# Altium PCB PCB1.PcbDoc
Units mil, origin at the board's own origin, x right, y up, seen from the top; angles counter-clockwise.
Board outline 2376 x 1575 mil, 2 copper layers (Top Layer, Bottom Layer); 51 components, 67 nets, 233 pads, 75 vias.
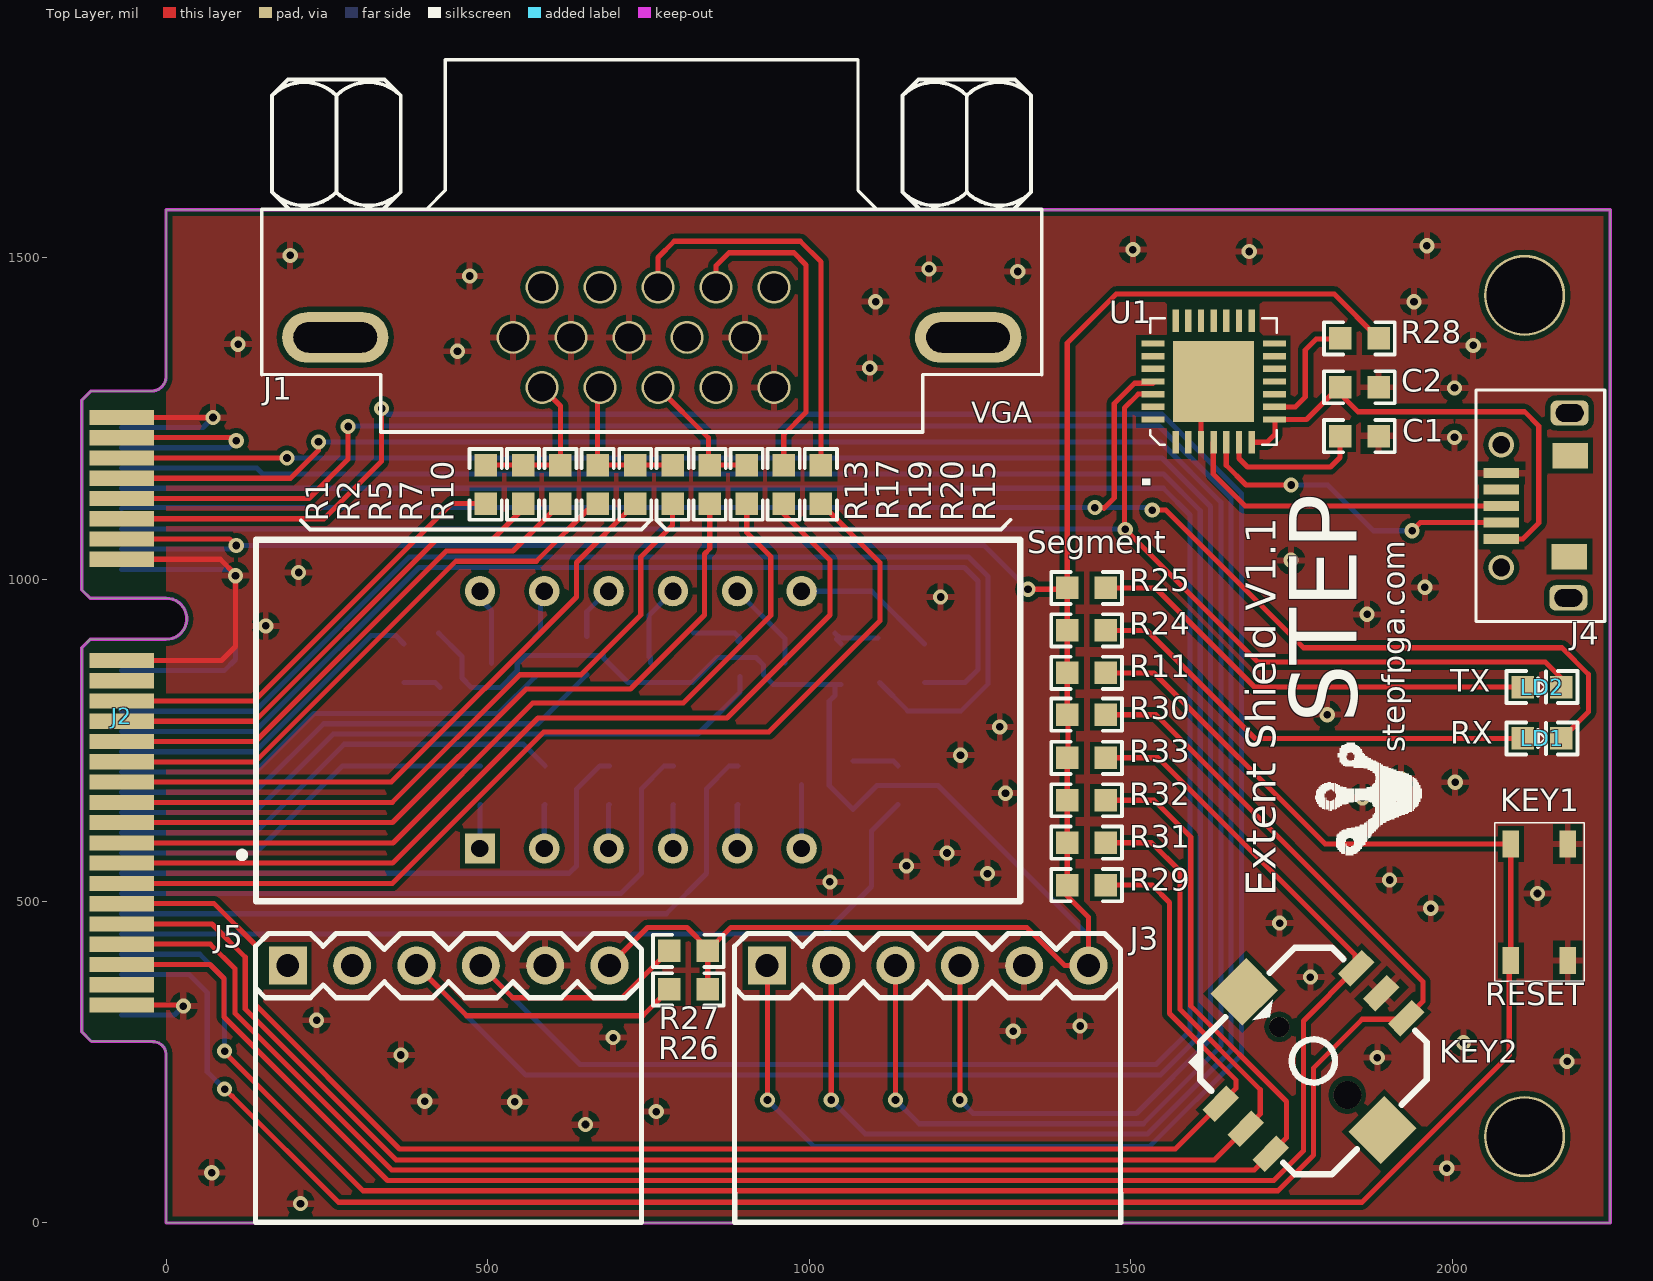
[diagram p0: Top Layer view]
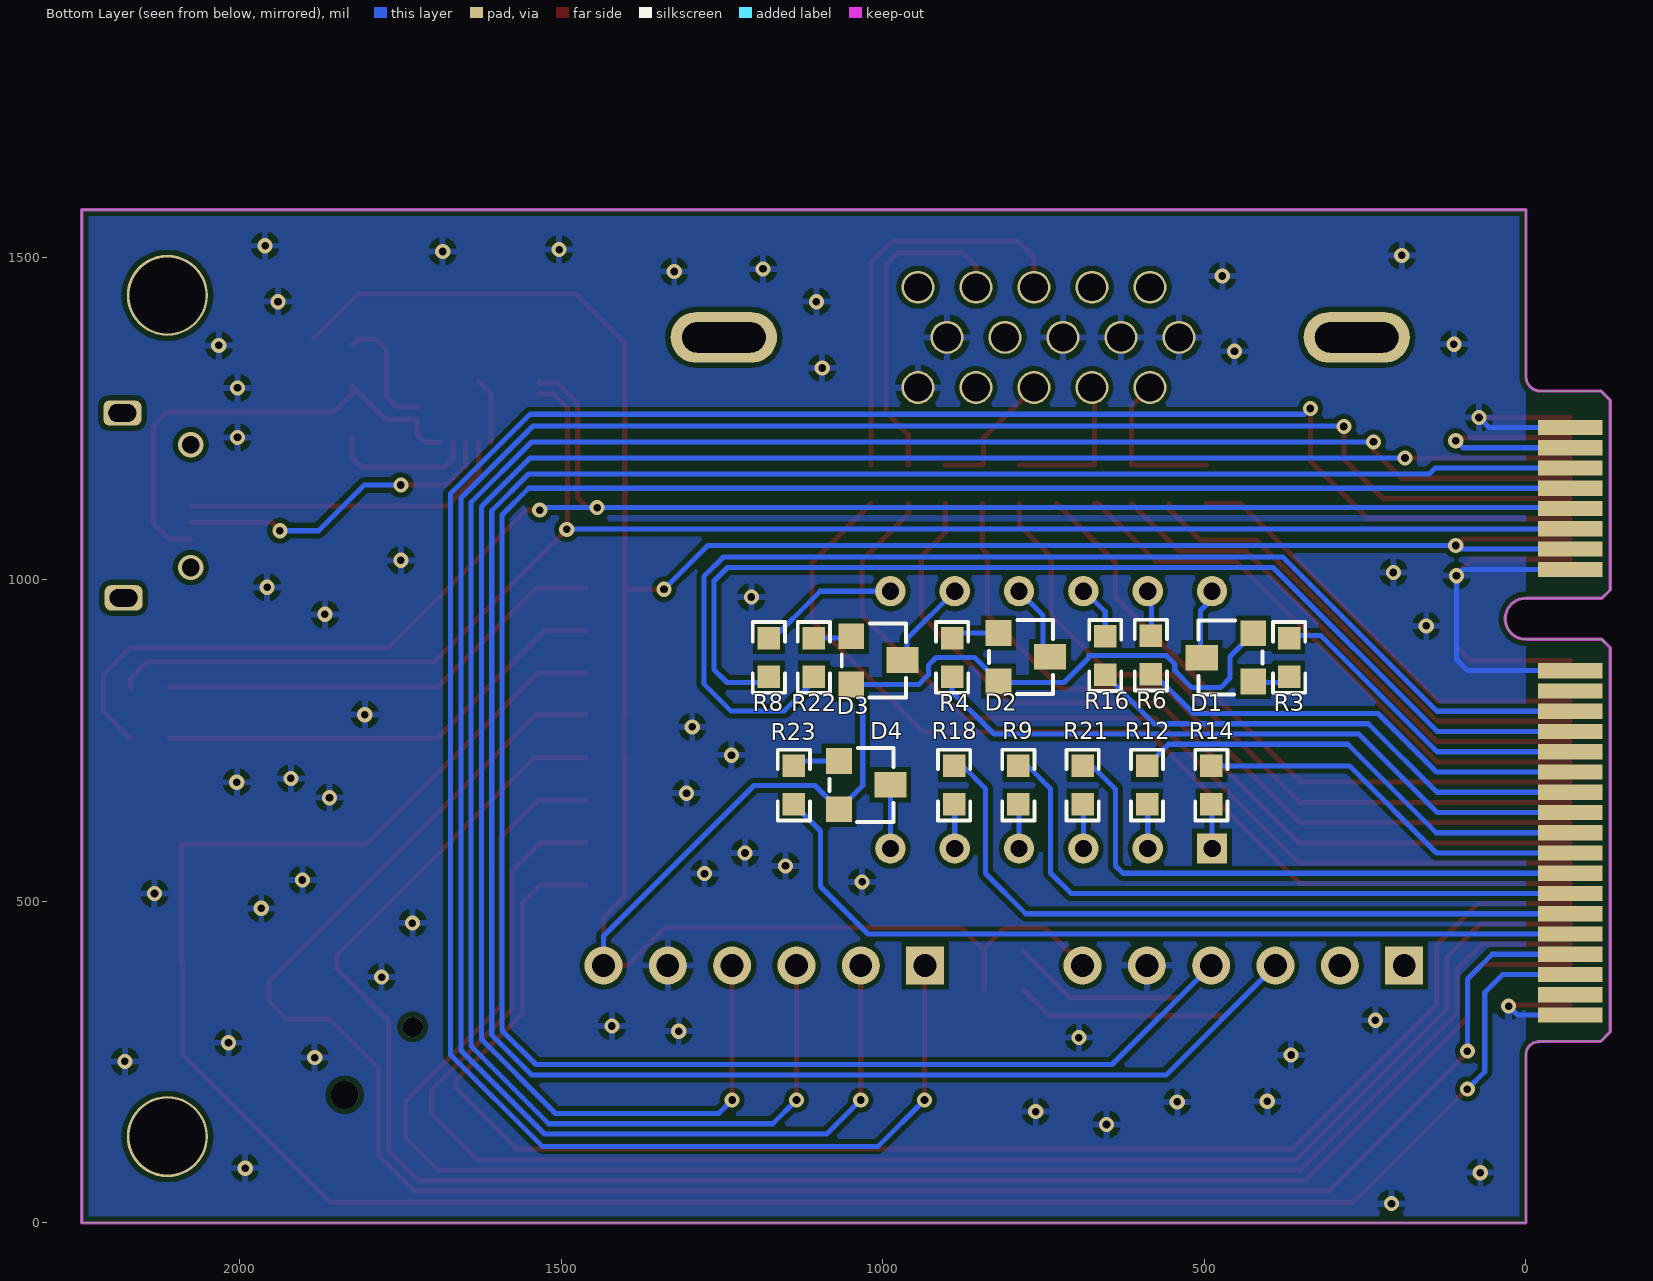
[diagram p1: Bottom Layer view, seen from below]
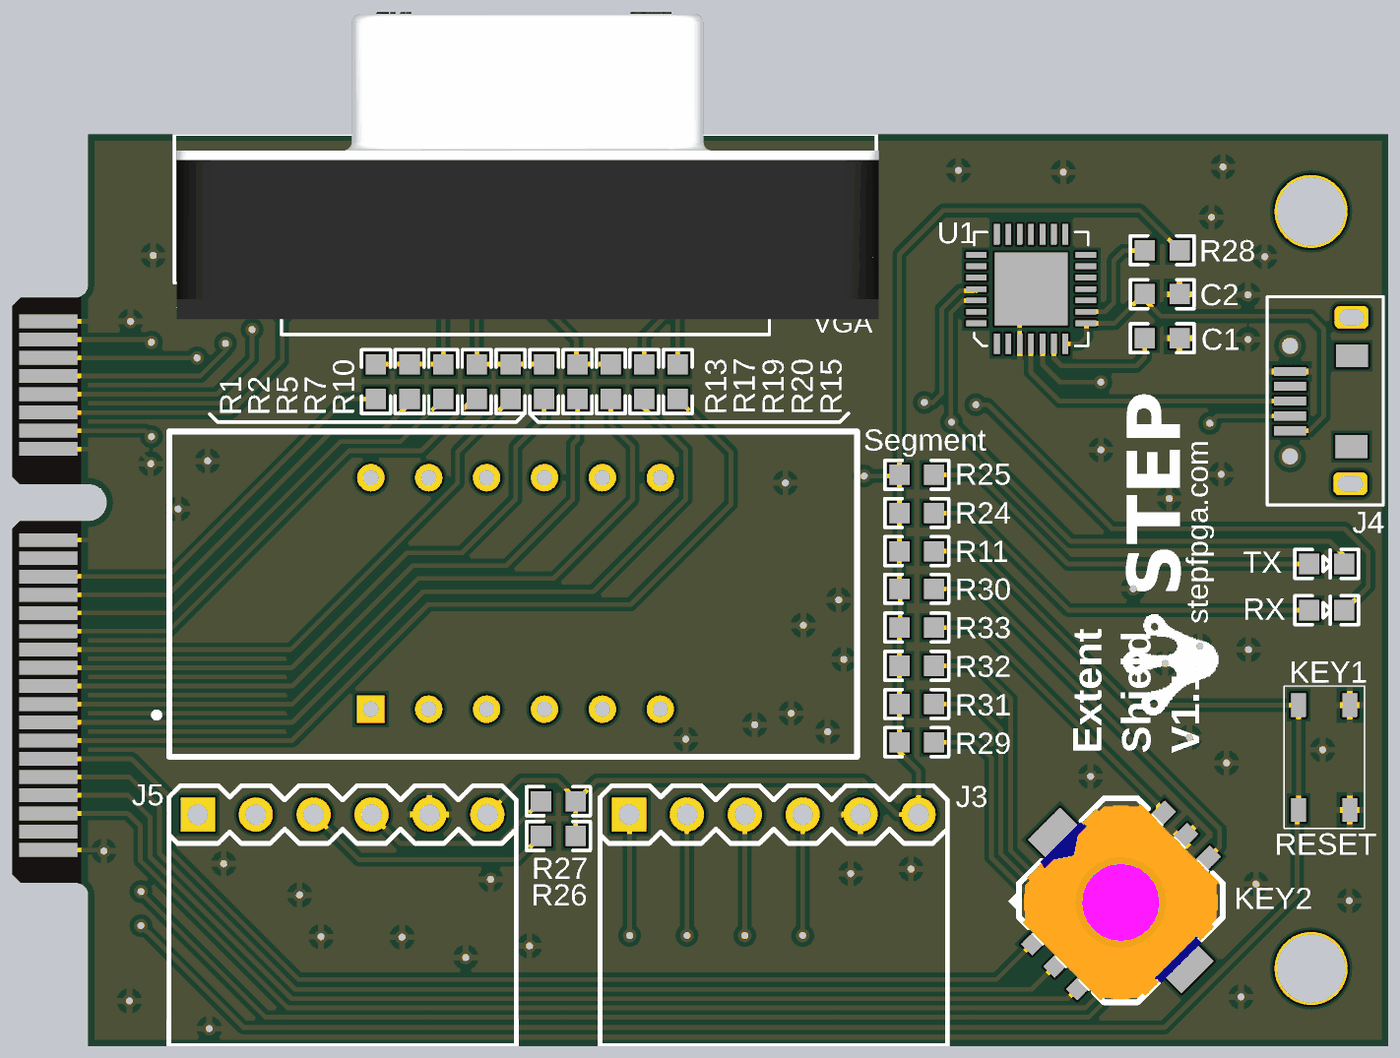
[diagram p2: 3D render of the assembled board from above, using the file's embedded part models]
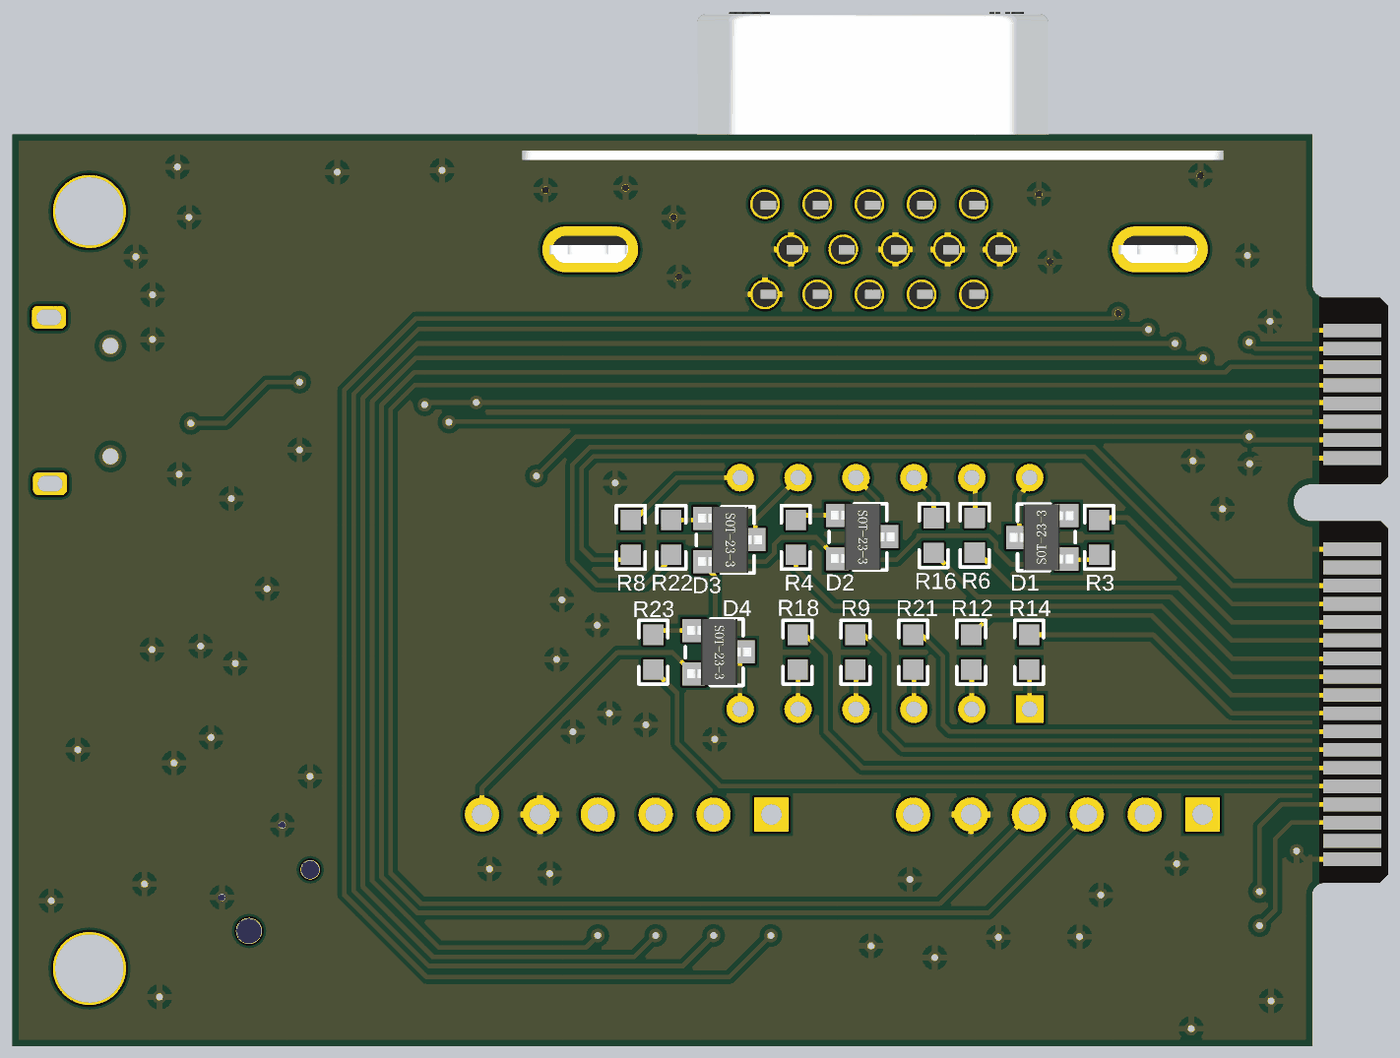
[diagram p3: 3D render of the assembled board from below, using the file's embedded part models]

## Layer stack, top to bottom
Top Solder: solder mask 0.4, Solder Resist, Dk 3.5
Top Layer: signal copper 1.4
Dielectric 1: dielectric 12.6, FR-4, Dk 4.8
Bottom Layer: signal copper 1.4
Bottom Solder: solder mask 0.4, Solder Resist, Dk 3.5

## Board outline
0,0 0,259.94 ccw(c-20.46,261.2) -20.4,281.7 -20.7,282 -116,282 -131,297 -131,894 -130,895 -117.87,907.13 0,907.13 ccw(c0.27,939.07) -0.13,971 -118,971 -130.66,983.66 -131,983.66 -131,1279 -117,1293 -22,1293 ccw(c-23.04,1316.11) 0,1314 0,1575 2245,1575 2245,0

## Design rules (kind name [scope] priority, off if disabled: settings)
Clearance [All] p1: gap=7.8
HoleSize [All] p1: absolutevalues=TRUE maxlimit=3937.01 minlimit=1 maxpercent=80.000 minpercent=20.000
MinimumSolderMaskSliver [All] p1: minsoldermaskwidth=0.04
PolygonConnect [All] p1: connectstyle=Relief reliefconductorwidth=10 reliefentries=4 polygonreliefangle="90 Angle" airgapwidth=10
RoutingVias [All] p1: holewidth=11.81 width=23.62 viastyle="Through Hole" minholewidth=11.81 minwidth=23.62 maxholewidth=11.81 maxwidth=23.62
SilkToSilkClearance [All] p1: silktosilkclearance=1
SilkToSolderMaskClearance [IsPad] p1: minsilkscreentomaskgap=0.01 clearancetoexposedcopper=TRUE
SolderMaskExpansion [All] p1: expansion=4
Width [All] p1: maxlimit=8 minlimit=8 preferedwidth=8
26 further rules are at their usual default settings.

## Components (designator, comment, footprint, x,y, rotation, side; value= is the part's Value field where it differs from the comment)
C1 "100nF" C0603 1885,1223 r180 top
C2 "100nF" C0603 1885,1299 r180 top
D1 "s9012" "SOT-23 s9013" 423.37,836.62 r90 bottom
D2 "s9012" "SOT-23 s9013" 820.63,921.88 r270 bottom
D3 "s9012" "SOT-23 s9013" 1049.63,916.88 r270 bottom
D4 "s9012" "SOT-23 s9013" 1068.63,722.88 r270 bottom
J1 "VGA接口" VGA_15pins 764.81,1298.62 r0 top
J2 "PCIE" STEP_miniPCI-E 26,937.13 r0 top
J3 "PMOD" PMOD_6_WS 934,400 r0 top
J4 "MicroUSB" MICRO_USB_4 2075.67,1209.76 r270 top
J5 "PMOD" PMOD_6_WS 189.29,400 r0 top
KEY1 "CPU_RST" Button,4pins,white,smt 2205,618.9 r180 top
KEY2 "KEY_5ch" button,five 1783,250 r0 top
LD1 "LED" LED0603 2109,753 r0 top
LD2 "LED" LED0603 2109,833 r0 top
R1 "2K" R0603 496.9,1118.1 r90 top
R2 "1K" R0603 554.9,1118.1 r90 top
R3 "4.7K" R0603 368,909 r270 bottom
R4 "4.7K" R0603 892,849 r90 bottom
R5 "510R" R0603 613.1,1118.1 r90 top
R6 "100R" R0603 583,852.55 r90 bottom
R7 "2K" R0603 670.9,1118.1 r90 top
R8 "100R" R0603 1177,849 r90 bottom
R9 "100R" R0603 789,710.5 r270 bottom
R10 "1K" R0603 729.4,1118.1 r90 top
R11 "4.7K" R0603 1401,855 r0 top
R12 "100R" R0603 589,710.5 r270 bottom
R13 "510R" R0603 787.5,1118.1 r90 top
R14 "100R" R0603 489,710.5 r270 bottom
R15 "200" R0603 1018,1178.1 r270 top
R16 "100R" R0603 654,852 r90 bottom
R17 "1K" R0603 845.1,1118.1 r90 top
R18 "100R" R0603 889,710.5 r270 bottom
R19 "510R" R0603 902.6,1118.1 r90 top
R20 "200" R0603 960.2,1178.1 r270 top
R21 "100R" R0603 689,710.5 r270 bottom
R22 "4.7K" R0603 1107,849 r90 bottom
R23 "4.7K" R0603 1138,710.5 r270 bottom
R24 "1K" R0603 1461,921 r180 top
R25 "1K" R0603 1461,987 r180 top
R26 "4.7K" R0603 842,363 r180 top
R27 "4.7K" R0603 842,423 r180 top
R28 "1K" R0603 1885,1375 r180 top
R29 "4.7K" R0603 1461,525 r180 top
R30 "4.7K" R0603 1401,790 r0 top
R31 "4.7K" R0603 1461,591 r180 top
R32 "4.7K" R0603 1461,657 r180 top
R33 "4.7K" R0603 1401,723 r0 top
Segment "SEGMENT" 063Segment -192,692 r0 top (schematic designator Segment1)
STEP "Comment" ECBC-STEP-M 1904.51,665.45 r90 top
U1 "CP2102" QFN5*5_28 1628.51,1307.94 r90 top

## Footprints (in the part's own frame and the unit in brackets; to place one, negate y for a bottom-side part, rotate by r counter-clockwise, add the part's x,y. Pads: shape width x height; smd on the part's side, far side on the other; paste and mask are expansions set on the pad)
063Segment [mm]
  rect 1.2x1.2 hole 0.69: 1(17.272,-2.794)
  round 1.2 hole 0.68: 2(19.812,-2.794) 3(22.352,-2.794) 4(24.892,-2.794) 5(27.432,-2.794) 6(29.972,-2.794) 7(29.972,7.366) 8(27.432,7.366) 9(24.892,7.366) 10(22.352,7.366) 11(19.812,7.366) 12(17.272,7.366)
  silkscreen extent 7.75,-4.88 38.61,9.4
Button,4pins,white,smt [mm]
  rect 0.65x1.05 smd: 1(2.91,5.359) 2(0.66,5.359) 3(0.66,0.759) 4(2.91,0.759)
  silkscreen extent 0.01,-0.08 3.55,6.17
button,five [mm]
  rect 0.7x1.35 smd rot 135: 1(-3.65,-1.644) 2(-2.663,-2.632) 3(-1.675,-3.619) 4(1.702,3.708) 5(2.69,2.721) 6(3.677,1.733)
  rect 1.8x2 smd rot 135: ""(-2.716,2.774) ""(2.744,-2.686)
  round 0.8 hole 0.8: ""(-1.33,1.388)
  round 1.1 hole 1.1: ""(1.357,-1.299)
  silkscreen extent -4.93,-4.43 4.49,4.52, body extent -5.29,-5.34 5.3,5.25, height 5
C0603 [mil]
  rect 35x35 smd: 1(0,0) 2(60,0)
  silkscreen extent -25,-25 85,25, body extent -1,-16 62,16, height 24
ECBC-STEP-M [mil] "height=165mil"
  silkscreen extent -94,-47 81,117
LED0603 [mil]
  rect 35x35 smd: 1(0,0) 2(60,0)
  silkscreen extent -25,-25 85,25, body extent -3,-18 64,18, height 35
MICRO_USB_4 [mm]
  rect 0.4x1.4 smd: 1(3.725,0) 2(3.075,0) 3(2.425,0) 4(1.775,0) 5(1.125,0)
  rrect50% 1x1.5 hole 0.7 slot 1.1 at 90 deg: ""(-1.251,2.701) ""(6.05,2.65)
  rect 1x1.4 smd: ""(0.432,2.718) ""(4.42,2.692)
  silkscreen extent -2.16,-1 6.98,4.09, body extent -1.69,-0.15 6.51,5.28, height 2.73
PMOD_6_WS [mm] "6脚PMOD接口，弯角母座"
  rect 1.5x1.5 hole 0.9: 1(0,0)
  round 1.5 hole 0.9: 2(2.54,0) 3(5.08,0) 4(7.62,0) 5(10.16,0) 6(12.7,0)
  silkscreen extent -1.27,-10.13 13.97,1.27
QFN5*5_28 [mm] "类型QFN，尺寸5*5mm，引脚28pin"
  rect 0.9x0.25 smd: 1(-2.4,1.5) 2(-2.4,1) 3(-2.4,0.5) 4(-2.4,0) 5(-2.4,-0.5) 6(-2.4,-1) 7(-2.4,-1.5) 15(2.4,-1.5) 16(2.4,-1) 17(2.4,-0.5) 18(2.4,0) 19(2.4,0.5) 20(2.4,1) 21(2.4,1.5)
  rect 0.25x0.9 smd: 8(-1.5,-2.4) 9(-1,-2.4) 10(-0.5,-2.4) 11(0,-2.4) 12(0.5,-2.4) 13(1,-2.4) 14(1.5,-2.4) 22(1.5,2.4) 23(1,2.4) 24(0.5,2.4) 25(0,2.4) 26(-0.5,2.4) 27(-1,2.4) 28(-1.5,2.4)
  rect 3.2x3.2 smd: 29(0,0)
  silkscreen extent -2.5,-2.5 2.5,2.5, body extent -2.49,-2.5 2.51,2.5, height 1.07
R0603 [mil]
  rect 35x35 smd: 1(0,0) 2(60,0)
  silkscreen extent -25,-25 85,25, body extent -1,-16 61,16, height 18
"SOT-23 s9013" [mil]
  rect 40x40 smd: 1B(4.88,0.63) 2E(79.88,0.63)
  rect 40x50 smd: 3C(41.88,80.63)
  silkscreen extent -15,-14 100,86, body extent -15,-11 99,99, height 47
STEP_miniPCI-E [mm]
  rect 2.55x0.6 smd: A0(-2.413,8.001) A1(-2.413,7.201) A2(-2.413,6.401) A3(-2.413,5.601) A4(-2.413,4.801) A5(-2.413,4.001) A6(-2.413,3.201) A7(-2.413,2.401) A8(-2.413,-1.599) A9(-2.413,-2.399) A10(-2.413,-3.199) A11(-2.413,-3.999) A12(-2.413,-4.799) A13(-2.413,-5.599) A14(-2.413,-6.399) A15(-2.413,-7.199) A16(-2.413,-7.999) A17(-2.413,-8.799) A18(-2.413,-9.599) A19(-2.413,-10.399) A20(-2.413,-11.199) A21(-2.413,-11.999) A22(-2.413,-12.799) A23(-2.413,-13.599) A24(-2.413,-14.399) A25(-2.413,-15.199)
  rect 2.55x0.6 smd far side: B0(-2.413,7.601) B1(-2.413,6.801) B2(-2.413,6.001) B3(-2.413,5.201) B4(-2.413,4.401) B5(-2.413,3.601) B6(-2.413,2.801) B7(-2.413,2.001) B8(-2.413,-1.999) B9(-2.413,-2.799) B10(-2.413,-3.599) B11(-2.413,-4.399) B12(-2.413,-5.199) B13(-2.413,-5.999) B14(-2.413,-6.799) B15(-2.413,-7.599) B16(-2.413,-8.399) B17(-2.413,-9.199) B18(-2.413,-9.999) B19(-2.413,-10.799) B20(-2.413,-11.599) B21(-2.413,-12.399) B22(-2.413,-13.199) B23(-2.413,-13.999) B24(-2.413,-14.799) B25(-2.413,-15.599)
  Keep-Out Layer lines w0.127: -0.66,-0.762 ccw(c-0.659,0.051) -0.66,0.864
VGA_15pins [mm] "VGA接口，母口底座"
  oval 4.2x2 hole 1.2 slot 3.3 at 0 deg: 0(-12.745,1.98) 0(12.245,1.98)
  round 1.3 hole 1.1: 1(-4.58,0) 2(-2.29,0) 3(0,0) 4(2.29,0) 5(4.58,0) 6(-5.725,1.98) 7(-3.435,1.98) 8(-1.145,1.98) 9(1.145,1.98) 10(3.435,1.98) 11(-4.58,3.96) 12(-2.29,3.96) 13(0,3.96) 14(2.29,3.96) 15(4.58,3.96)
  silkscreen extent -15.65,-1.76 15.15,12.94, body extent -15.55,-1.09 15.25,12.38, height 10.72

## Part data
C1 C2: library part "Cap Semi", "Capacitor (Semiconductor SIM Model)"
D1 D2 D3 D4: "PNP三极管"
J1: library part VGA, "VGA Interface"
J3 J5: library part "Header 6", "Header, 6-Pin"
J4: library part "Micro USB Header", "Micro USB Header"
KEY1: library part KEY
LD1 LD2: "Typical INFRARED GaAs LED,1.8V,10mA,Red"
R1 R2 R3 R4 R5 R6 R7 R8 R9 R10 R11 R12 R13 R14 R15 R16 R17 R18 R19 R20 R21 R22 R23 R24 R25 R26 R27 R28 R29 R30 R31 R32 R33: library part Res1, "Resistor"
U1: "CP2102，USB转串口UART驱动芯片"

## Free pads (board coordinates)
  round 125.98 hole 118.11: 0(2112,134) 0(2112,1442)

## Via types
v1: diameter 23.62, hole 11.81, Top Layer to Bottom Layer, tented both sides, 73 vias
v2: diameter 39.37, hole 27.56, Top Layer to Bottom Layer, tented both sides, 2 vias

## Nets (pads, with @x,y where several pads share a name; then routed paths per layer and width w, separated by ;. In a path a pad name is that pad's centre, name@x,y a point inside that pad or via, vN(x,y) a via of type N, cw(c..) or ccw(c..) an arc to the next point about the centre after c; other vN are vias at no path point)
3.3V: D1.2E D2.2E D3.2E D4.2E J2.A6 J2.B6 J3.6 J5.6 R11.1 R24.2 R25.2 R26.1 R27.1 R28.1 R29.2 R30.1 R31.2 R32.2 R33.1 | length 5605.7
  Top Layer w8: J2.A6 98.84,1063.16 v1(109,1053) ; J5.6 748.29,459 810,459 842,427 R27.1 ; R26.1 R27.1 ; v1(1340,985) 1399,985 R25.2 ; R33.1 R32.2 R31.2 R29.2 1401,508 1434,475 J3.6 1397,400 1338,459 878,459 R27.1 ; R33.1@1402,723 1402,789 R30.1 R11.1 R24.2 R25.2 ; R28.1 1816,1444 1477,1444 1401,1368 R25.2
  Bottom Layer w8: J2.B6 107.59,1047.41 109,1048.82 v1(109,1053) 1272,1053 v1(1340,985) v1@1340,983 ; D1.2E 460,880.5 460,847 475,832 519.47,832 546,858.53 546,869 559.05,882.05 679.95,882.05 679.95,878.08 718.03,840 818,840 D2.2E 857,879 917,879 929,867 929,852 944,837 D3.2E@1040,837 ; D3.2E D3.2E@1040,837 ; J3.6 1434,446 1200,680 1105,680 D4.2E 1031,680 1031,811 1040,820 D3.2E@1040,837
5V: J2.A1 J2.B1 | length 362.5
  Top Layer w8: J2.A1 104.36,1220.64 v1(109,1216)
  Bottom Layer w8: J2.B1 97.89,1204.89 v1(109,1216)
AN0: J2.B21 R23.2 | length 1341.1
  Bottom Layer w8: J2.B21 1022.98,448.98 1096.75,522.75 1096.75,609.25 R23.2
AN1: J2.B10 R22.1 | length 1830.1
  Bottom Layer w8: J2.B10 138.44,795.44 378,1035 1247.63,1035 1278,1004.63 1278,838 1236,796 1153,796 R22.1@1109,840
AN2: J2.B15 R4.1 | length 1062.5
  Bottom Layer w8: J2.B15 137.96,637.96 260,760 827,760 892,825 R4.1
AN3: J2.B12 R3.1 | length 519.2
  Bottom Layer w8: J2.B12 138.45,732.45 319,913 357,913 R3.1@370,900
CA: J2.B13 R6.1 | length 706.3
  Bottom Layer w8: J2.B13 138.95,700.95 230,792 517,792 574,849 R6.1@574,851
CB: J2.B11 R8.1 | length 1674.6
  Bottom Layer w8: J2.B11 137.94,763.94 393,1019 1241,1019 1262,998 1262,860 1242,840 R8.1@1179,840
CC: J2.B19 R9.1 | length 1017
  Bottom Layer w8: J2.B19 706.98,511.98 739,544 739,675 774.5,710.5 R9.1
CD: J2.B16 R12.1 | length 728.8
  Bottom Layer w8: J2.B16 139.46,606.46 277,744 555.5,744 R12.1
CE: J2.B17 R14.1 | length 614.1
  Bottom Layer w8: J2.B17 138.97,574.97 274.5,710.5 R14.1
CF: J2.B14 R16.1 | length 798.6
  Bottom Layer w8: J2.B14 138.46,669.46 245,776 578,776 R16.1
CG: J2.B20 R18.1 | length 1130.6
  Bottom Layer w8: J2.B20 777.48,480.48 840,543 840,675 875.5,710.5 R18.1
DP: J2.B18 R21.1 | length 896.9
  Bottom Layer w8: J2.B18 626.47,543.47 638,555 638,674 674.5,710.5 R21.1
GND: C1.1 C2.1 J1.5 J1.6 J1.7 J1.8 J1.10 J2.A0 J2.A7 J2.A8 J2.A25 J2.B0 J2.B7 J2.B8 J2.B25 J3.5 J4.5 J5.5 KEY1.2 KEY1.3 KEY2.5 U1.3 U1.29 | length 1569.5
  Top Layer w8: J2.A25 v1@27.24,338.76 ; J2.A8 86.2,874.2 108,896 v1(108,1006) ; J2.A7 84.34,1031.66 v1@108,1008 ; J2.A0 v1@73.13,1252.13 ; U1.3 1608.83,1288.26 U1.29
  Bottom Layer w8: J2.B25 13,323 v1(27,337) ; J2.B8 90.43,858.43 108,876 v1(108,1006) 98.09,1015.91 J2.B7 ; J2.B0 57.39,1236.39 v1(73,1252)
  other v1: 209,30 71,78 1991,85 652,153 762,173 542,188 402,189 2178,251 1883,257 365,261 2017,280 695,288 1317,298 1421,306 234,315 1779,382 1731,466 1966,489 2132,512 1032,530 1902,533 1277,543 1151,555 1214,575 1860,661 1305,668 2004,685 1920,691 1235,727 1296,771 1805,790 155,928 1867,946 1204,973 1957,988 206,1011 1749,1030 2003,1221 2003,1298 1094,1329 453,1355 2032,1364 112,1366 1103,1432 1940,1432 472,1472 1324,1479 1186,1483 193,1504 1684,1510 1503,1513 1960,1519
HSYNC: J2.A19 R15.2 | length 1568.3
  Top Layer w8: J2.A19 351.74,527.74 587,763 937,763 1110,936 1110,1026.1 R15.2
I2C_SCL: J2.B2 J5.3 R26.2 | length 4275.6
  Top Layer w8: J5.3 467.29,322 741,322 R26.2
  Bottom Layer w8: J2.B2 141,1173.39 150.39,1164 1550.63,1164 1607.69,1106.94 1607.69,292.06 1545.63,230 559.29,230 J5.3
I2C_SDA: J2.B3 J5.4 R27.2 | length 4011.4
  Top Layer w8: J5.4 489.29,399.71 539,350 709,350 R27.2
  Bottom Layer w8: J2.B3 1550.1,1141.9 1591.69,1100.31 1591.69,298.69 1539,246 643.29,246 J5.4
KEY_1: J2.A20 KEY2.1 R29.1 | length 2425.2
  Top Layer w8: J2.A20 74.76,496.24 139,432 139,339 363,115 1569,115 KEY2.1 1663,209 1663,222.37 1560,325.37 1560,498 1533,525 R29.1
KEY_2: J2.A21 KEY2.2 R31.1 | length 2561.4
  Top Layer w8: J2.A21 71.25,464.75 123,413 123,332.37 357.37,98 1629.78,98 KEY2.2 1701,169.22 1701,207 1576,332 1576,547 1532,591 R31.1
KEY_3: J2.A22 KEY2.3 R32.1 | length 2702.8
  Top Layer w8: J2.A22 68.75,433.25 107,395 107,325.75 350.75,82 1691.56,82 KEY2.3 1742,132.44 1742,188.63 1593,337.63 1593,600 1536,657 R32.1
KEY_4: J2.A23 KEY2.4 R33.2 | length 2883.7
  Top Layer w8: J2.A23 68.24,401.76 90,380 90,320.12 344.12,66 1722,66 1768,112 1768,314 KEY2.4 1848,398 1848,417 1542,723 R33.2
KEY_5: J2.B22 KEY2.6 R30.2 | length 3135
  Top Layer w8: v1@93,263 306,50 1728.63,50 1784,105.37 1784,241 1859.57,316.57 1927.78,316.57 KEY2.6 1954,344.44 1954,375 1539,790 R30.2
  Bottom Layer w8: J2.B22 52.51,417.49 91,379 v1(91,267)
KEY_RST: J2.B23 KEY1.1 KEY1.4 R11.2 | length 3539.1
  Top Layer w8: v1(91,208) 102,197 103,197 268,32 1859,32 2088,261 2088,405.48 KEY1.1 KEY1.4 1802,589 1536,855 R11.2
  Bottom Layer w8: J2.B23 36.01,385.99 64,358 64,235 v1(91,208)
NetC1_2: C1.2 U1.6 | length 227.1
  Top Layer w8: U1.6 1667.88,1188.12 1681,1175 1810,1175 1825,1190 C1.2
NetD1_1B: D1.1B R3.2 | length 59.1
  Bottom Layer w8: R3.2@370,840 418.5,840 D1.1B@426,832.5
NetD1_3C: D1.3C Segment.12 | length 120
  Bottom Layer w8: Segment.12 488,970 506,952 D1.3C@506,869.5
NetD2_1B: D2.1B R4.2 | length 83.1
  Bottom Layer w8: D2.1B 884,917 R4.2 ; R4.2@888.5,905.5 R4.2@894,900
NetD2_3C: D2.3C Segment.9 | length 126.8
  Bottom Layer w8: D2.3C@751,879.5 751,945 Segment.9 ; D2.3C@753,870.5 D2.3C@753,879.5
NetD3_1B: D3.1B R22.2 | length 80.7
  Bottom Layer w8: D3.1B@1040,916.5 1047.5,909 R22.2 ; D3.1B@1042,907.5 D3.1B@1049.5,900
NetD3_3C: D3.3C Segment.8 | length 142.2
  Bottom Layer w8: Segment.8 962,908 D3.3C@962,870.5
NetD4_1B: D4.1B R23.1 | length 73.1
  Bottom Layer w8: D4.1B 1130.5,718 R23.1
NetD4_3C: D4.3C Segment.6 | length 99
  Bottom Layer w8: Segment.6 D4.3C
NetJ1_1: J1.1 R1.2 R2.2 R5.2 | length 248.6
  Top Layer w8: R1.2 R2.2 R5.2 613.1,1270.02 J1.1
NetJ1_2: J1.2 R7.2 R10.2 R13.2 | length 238.7
  Top Layer w8: J1.2 670.9,1294.87 R7.2 R10.2 R13.2
NetJ1_3: J1.3 R17.2 R19.2 | length 211.3
  Top Layer w8: J1.3 843,1220.43 843,1180.2 R17.2 R19.2
NetJ1_13: J1.13 R15.1 | length 639.1
  Top Layer w8: J1.13 764.81,1500.81 790,1526 986,1526 1018,1494 R15.1
NetJ1_14: J1.14 R20.1 | length 515
  Top Layer w8: J1.14 854.97,1487.97 875,1508 976,1508 995,1489 995,1260 960.2,1225.2 R20.1
NetJ4_2: J4.2 U1.5 | length 510.6
  Top Layer w8: U1.5 1648.2,1177.8 1679,1147 v1(1749,1147) ; v1(1937,1076) 1949.69,1088.69 J4.2
  Bottom Layer w8: v1(1749,1147) 1806,1147 1877,1076 v1(1937,1076)
NetJ4_3: J4.3 U1.4 | length 517.9
  Top Layer w8: U1.4 1628,1212.95 1628,1164 1677.72,1114.28 J4.3
NetLD1_1: LD1.1 R24.1 | length 717.6
  Top Layer w8: R24.1 1525,921 1693,753 LD1.1
NetLD2_1: LD2.1 R25.1 | length 711.8
  Top Layer w8: R25.1 1538,987 1692,833 LD2.1
NetR6_2: R6.2 Segment.11 | length 76.8
  Bottom Layer w8: R6.2@574,911 582,919 582,963 588,969 Segment.11
NetR8_2: R8.2 Segment.7 | length 225
  Bottom Layer w8: Segment.7 1097,982 R8.2@1179,900
NetR9_2: R9.2 Segment.4 | length 68.9
  Bottom Layer w8: Segment.4 788,649.5 R9.2
NetR12_2: R12.2 Segment.2 | length 68.9
  Bottom Layer w8: Segment.2 588,649.5 R12.2
NetR14_2: R14.2 Segment.1 | length 68.9
  Bottom Layer w8: Segment.1 488,649.5 R14.2
NetR16_2: R16.2 Segment.10 | length 93.7
  Bottom Layer w8: R16.2 654,950 686,982 Segment.10 Segment.10@694,976
NetR18_2: R18.2 Segment.5 | length 68.9
  Bottom Layer w8: Segment.5 888,649.5 R18.2
NetR21_2: R21.2 Segment.3 | length 68.9
  Bottom Layer w8: Segment.3 688,649.5 R21.2
NetR28_2: R28.2 U1.9 | length 192.6
  Top Layer w8: U1.9 1755.57,1268.57 1771,1284 1771,1357 1788,1374 1815,1374 R28.2@1825,1364
RXD: J2.B4 LD1.2 U1.25 | length 2765.4
  Top Layer w8: v1(1444,1112) 1457,1112 1458,1111 1474,1127 1474,1273.63 1505.55,1305.18 1534.02,1305.18 U1.25 ; v1(1533,1108) 1554,1108 1768,894 2170,894 2211,853 2211,794 2170,753 LD1.2
  Bottom Layer w8: J2.B4 -67.4,1112 v1(1444,1112) 1529,1112 v1(1533,1108)
SPI_MISO: J2.A3 J3.3 | length 3404.7
  Top Layer w8: J2.A3 193.65,1157.65 237,1201 v1(237,1214) ; v1(1134,191) 1134,398 1133,399 J3.3
  Bottom Layer w8: v1(237,1214) 1545.88,1214 1639.69,1120.2 1639.69,274.69 1519.19,154.19 1170.81,154.19 v1(1134,191)
SPI_MOSI: J2.A4 J3.2 | length 3620
  Top Layer w8: J2.A4 222.15,1126.15 283,1187 v1(283,1238) ; v1(1034,191) J3.2
  Bottom Layer w8: v1(283,1238) 283,1233 289,1239 1543.51,1239 1655.69,1126.82 1655.69,268.06 1525.82,138.19 1086.81,138.19 v1(1034,191)
SPI_SCK: J2.A2 J3.4 | length 3207.2
  Top Layer w8: J2.A2 -68.86,1189 v1(188,1189) ; v1(1234,191) J3.4
  Bottom Layer w8: v1(188,1189) 1548.25,1189 1623.69,1113.57 1623.69,285.43 1508.44,170.19 1254.81,170.19 v1(1234,191)
SPI_SS: J2.A5 J3.1 | length 3825.5
  Top Layer w8: J2.A5 245.65,1094.65 335,1184 v1(335,1266) ; J3.1 935,399 v1(935,191)
  Bottom Layer w8: v1(335,1266) 344,1257 1548.14,1257 1671.69,1133.45 1671.69,261.43 1529.25,119 1007,119 v1(935,191) ; J3.1@934,396 J3.1
TXD: J2.B5 LD2.2 U1.26 | length 2590.3
  Top Layer w8: U1.26 1511.26,1288.26 1490,1267 1490,1079 v1(1491,1078) 1697,872 2144,872 2169,847 LD2.2
  Bottom Layer w8: J2.B5 1490.09,1078.91 v1(1491,1078)
UART_5V: C2.2 J4.1 U1.7 U1.8 | length 749.9
  Top Layer w8: U1.7 1711.46,1213.46 1724,1226 1724,1247.89 U1.8 1772.89,1248.89 1825,1301 1825,1289 1853,1261 2112,1261 2134,1239 2134,1088 2109.1,1063.1 J4.1
VGA_B0: J2.A16 R17.1 | length 1216.2
  Top Layer w8: J2.A16 352.23,622.23 560,830 722,830 837,945 837,1040 845.1,1048.1 R17.1
VGA_B1: J2.A17 R19.1 | length 1344.9
  Top Layer w8: J2.A17 352.73,590.73 570,808 804,808 940,944 940,1036 902.6,1073.4 R19.1
VGA_G0: J2.A13 R7.1 | length 906.2
  Top Layer w8: J2.A13 138.72,716.72 450.5,1028.5 575.47,1028.5 665.07,1118.1 R7.1
VGA_G1: J2.A14 R10.1 | length 1009.2
  Top Layer w8: J2.A14 350.22,685.22 638,973 638,1026.7 R10.1
VGA_G2: J2.A15 R13.1 | length 1121.3
  Top Layer w8: J2.A15 351.72,653.72 550,852 645,852 738,945 738,1035 787.5,1084.5 R13.1
VGA_R0: J2.A10 R1.1 | length 693
  Top Layer w8: J2.A10 137.2,811.2 444.1,1118.1 R1.1
VGA_R1: J2.A11 R2.1 | length 768.9
  Top Layer w8: J2.A11 137.71,779.71 419.5,1061.5 506.5,1061.5 554.9,1109.9 R2.1
VGA_R2: J2.A12 R5.1 | length 835.3
  Top Layer w8: J2.A12 139.21,748.21 435.5,1044.5 539.5,1044.5 R5.1
VSYNC: J2.A18 R20.2 | length 1463.6
  Top Layer w8: J2.A18 352.24,559.24 578,785 872,785 1032,945 1032,1030 960.2,1101.8 R20.2
pads on no net: J1.0 J1.4 J1.9 J1.11 J1.12 J1.15 J2.A9 J2.A24 J2.B9 J2.B24 J4. J4.4 J5.1 J5.2 KEY2. U1.1 U1.2 U1.10 U1.11 U1.12 U1.13 U1.14 U1.15 U1.16 U1.17 U1.18 U1.19 U1.20 U1.21 U1.22 U1.23 U1.24 U1.27 U1.28
copper on no net:
  other v2: 2075.67,1018.81 2075.67,1209.76

## Polygon pours and split planes (outlines as drawn)
GND on Top Layer "Bottom Layer-GND" (solid, pour order 0): 0,1575 0,0 2238,0 2245,7 2245,1575
GND on Bottom Layer "Bottom Layer-GND" (solid, pour order 2): 0,1575 0,0 2245,0 2245,1575

## Keep-outs
Keep-Out Layer:
  lines w5: 0,971.13 -0.13,971 ; -0.13,971 cw(c0.27,939.07) 0,907.13 -117.87,907.13 -130,895 -131,894 -131,297 -116,282 -20.7,282 -20.4,281.7 cw(c-20.46,261.2) 0,259.94 0,78.74 0,0 78.74,0 2165.35,0 2245,0 2245,78.74 2245,1495.35 2245,1575 2165.35,1575 78.74,1575 0,1575 0,1314 cw(c-23.04,1316.11) -22,1293 -115,1293 -117,1293 -131,1279 -131,983.66 -130.66,983.66 -118,971 -0.13,971

## Silkscreen, mask and mechanical layers (free items; w line width, h text height)
Top Overlay:
  lines w6: 210,1092 224,1078 226,1078 475,1078 739,1078 754.1,1093.1 754.4,1093.1 ; 762.5,1093.1 762.5,1092.5 777,1078 1001,1078 1298,1078 1313,1093
  text "VGA" at 1252,1233 h55
  text "TX" at 1996,814 h60
  text "RX" at 1996,733 h60
  text "stepfpga.com" at 1937.51,731.45 h60 r90
  text "Extent Shield V1.1" at 1741,508 h80 r90
  text "RESET" at 2051,327 h60